# Altium PCB ER100_Driver.PcbDoc (part 1 of 2) (continued)
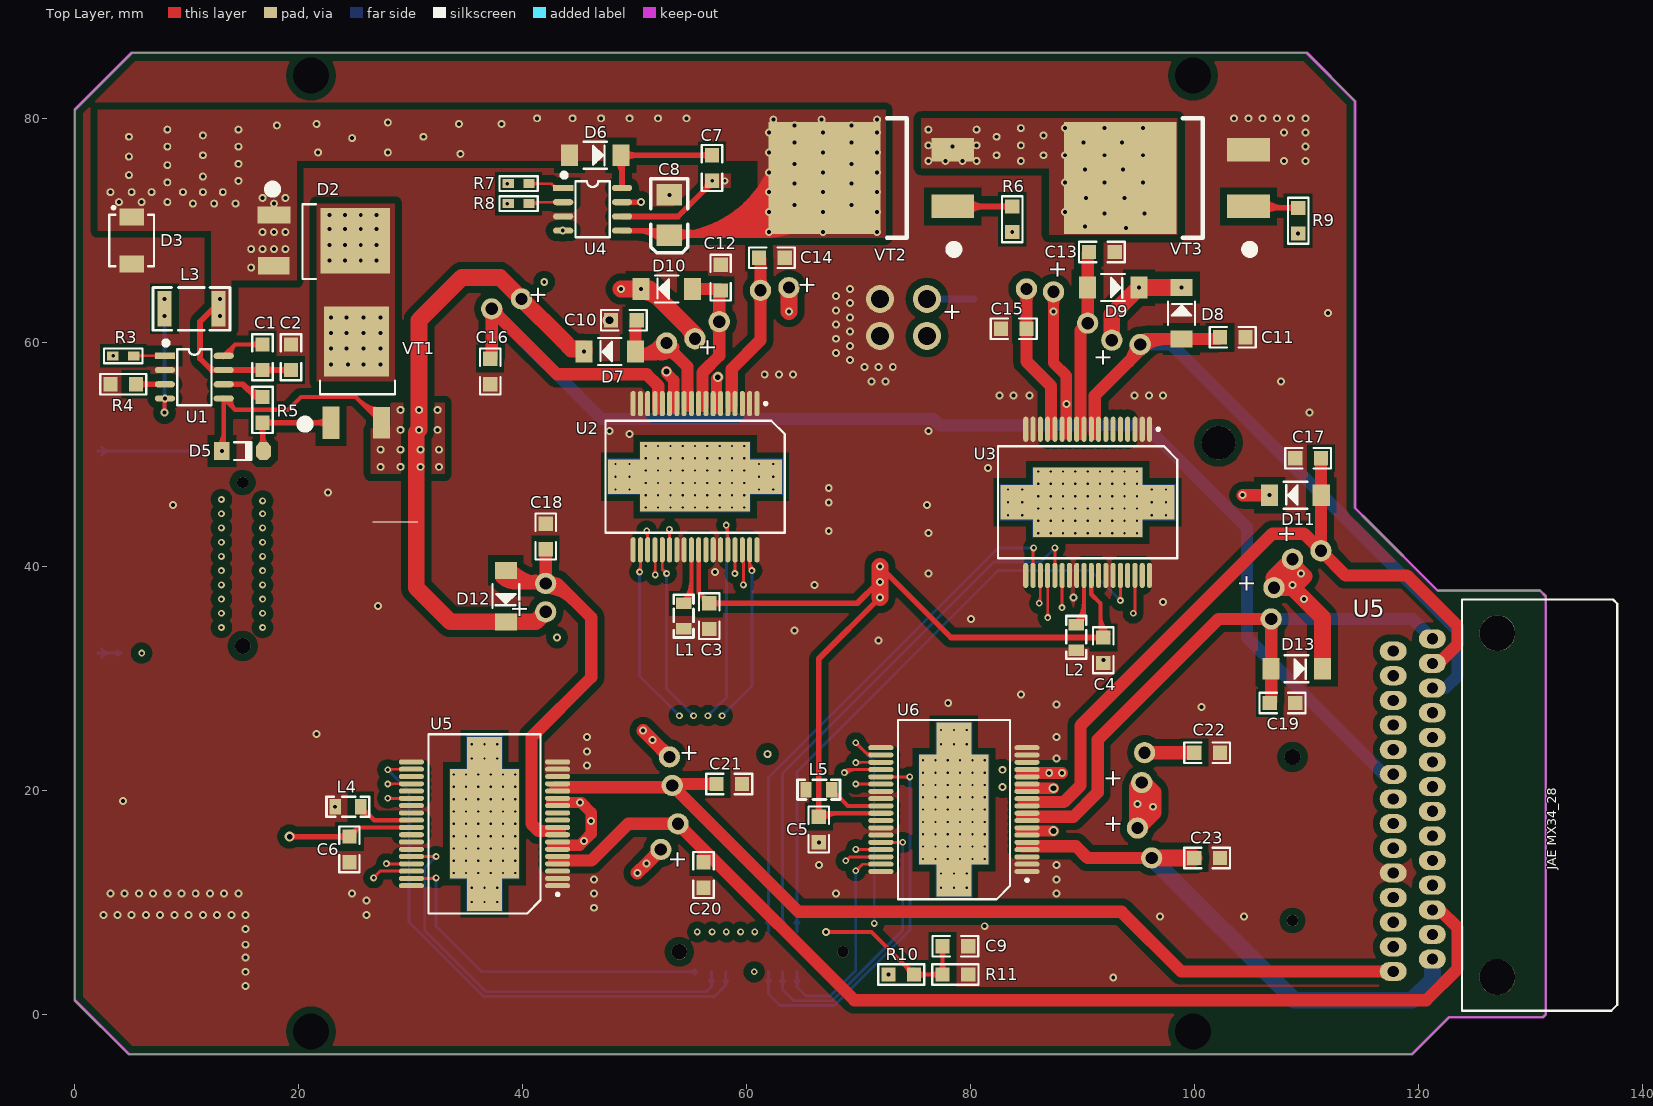
[diagram p0: Top Layer view]
## Footprints (in the part's own frame and the unit in brackets; to place one, negate y for a bottom-side part, rotate by r counter-clockwise, add the part's x,y. Pads: shape width x height; smd on the part's side, far side on the other; paste and mask are expansions set on the pad)
B2B_1.27_Female [mm]
  round 1 hole 1 unplated: 0(0,0)
  round 1.4 hole 1.4 unplated: 0(0,14.605)
  rect 2x0.78 smd: 1(1.778,13.005) 2(1.778,11.735) 3(1.778,10.465) 4(1.778,9.195) 5(1.778,7.925) 6(1.778,6.655) 7(1.778,5.385) 8(1.778,4.115) 9(1.778,2.845) 10(1.778,1.575) 11(-1.778,1.575) 12(-1.778,2.845) 13(-1.778,4.115) 14(-1.778,5.385) 15(-1.778,6.655) 16(-1.778,7.925) 17(-1.778,9.195) 18(-1.778,10.465) 19(-1.778,11.735) 20(-1.778,13.005)
  silkscreen extent -3,-0.64 3,15.88
"C 0805" [mil]
  rect 50x50 smd: 1(-45,0) 2(45,0)
  silkscreen extent -81,-36 81,36, body extent -39,-24 39,24, height 20
"CP 3528B" [mil]
  rect 75x90 smd: 1(-70.86,0) 2(70.87,0)
  silkscreen extent -132,-65 128,65, body extent -69,-55 69,55, height 75
DO-214AA [mm] "Molded Diode, 2-Leads, Body 4.31x3.62mm, IPC Medium Density"
  rect 1.5x2.15 smd: 1(-2.1,0) 2(2.1,0)
  silkscreen extent -2.3,-2 3.07,2, body extent -2.29,-1.97 2.28,1.97, height 2.44
DO-214AC [mm]
  rect 1.524x1.95 smd: 1(-2.312,0) 2(2.288,0)
  silkscreen extent -1.06,-1.2 1.04,1.2, body extent -2.13,-1.2 2.11,1.19, height 3
"L 0805" [mil]
  rect 40x55 smd: 1(-45,0) 2(45,0)
  silkscreen extent -75,-35 75,35, body extent -39,-24 39,24, height 35
"L 1812" [mil]
  rect 50x125 smd: 1(-95,0) 2(95,0)
  silkscreen extent -135,-75 135,75, body extent -89,-63 89,63, height 59
LED_0805 [mil]
  rect 60x50 smd: 1(-50,0)
  oct 60x50 smd: 2(50,0)
  silkscreen extent -90,-35 105,35, body extent -39,-25 39,25, height 32
LL34 [mm]
  rect 1.37x1.62 smd: 1(-1.855,0)
  oct 1.37x1.62 smd: 2(1.855,0)
  silkscreen extent -0.76,-0.8 0.78,0.8, body extent -1.7,-0.75 1.7,0.75, height 1.5
mx34_28 [mm]
  oval 2.4x1.7 hole 1: 1(3.5,-27.5) 2(3.5,-25.3) 3(3.5,-23.1) 4(3.5,-20.9) 5(3.5,-18.7) 6(3.5,-16.5) 7(3.5,-14.3) 8(3.5,-12.1) 9(3.5,-9.9) 10(3.5,-7.7) 11(3.5,-5.5) 12(3.5,-3.3) 13(3.5,-1.1) 14(3.5,1.1) 15(0,-28.6) 16(0,-26.4) 17(0,-24.2) 18(0,-22) 19(0,-19.8) 20(0,-17.6) 21(0,-15.4) 22(0,-13.2) 23(0,-11) 24(0,-8.8) 25(0,-6.6) 26(0,-4.4) 27(0,-2.2) 28(0,0)
  round 3.2 hole 3.2 unplated: 29(-5.8,1.6) 30(-5.8,-29.1)
  silkscreen extent -16.5,-32.1 -2.65,4.6, body extent -22.67,-32.13 3.88,4.57, height 16.3
PowerSO-36 [mm] "SOP, 36-Leads, Body 15.90x11.00mm, Pitch 0.65mm, Thermal Pad 9.80.2x6.20.2mm, IPC Medium Density"
  rect 3.1x3.1 smd: 0(-6.223,0) 0(6.223,0)
  rect 9.8x6.2 smd: 0(0,0)
  oval 0.45x2.25 smd: 1(-5.525,-6.525) 2(-4.875,-6.525) 3(-4.225,-6.525) 4(-3.575,-6.525) 5(-2.925,-6.525) 6(-2.275,-6.525) 7(-1.625,-6.525) 8(-0.975,-6.525) 9(-0.325,-6.525) 10(0.325,-6.525) 11(0.975,-6.525) 12(1.625,-6.525) 13(2.275,-6.525) 14(2.925,-6.525) 15(3.575,-6.525) 16(4.225,-6.525) 17(4.875,-6.525) 18(5.525,-6.525) 19(5.525,6.525) 20(4.875,6.525) 21(4.225,6.525) 22(3.575,6.525) 23(2.925,6.525) 24(2.275,6.525) 25(1.625,6.525) 26(0.975,6.525) 27(0.325,6.525) 28(-0.325,6.525) 29(-0.975,6.525) 30(-1.625,6.525) 31(-2.275,6.525) 32(-2.925,6.525) 33(-3.575,6.525) 34(-4.225,6.525) 35(-4.875,6.525) 36(-5.525,6.525)
  Bottom Layer region: -7.874,-1.651 -4.826,-1.651 -4.826,1.651 -7.874,1.651
  Bottom Layer region: -4.953,-3.175 4.953,-3.175 4.953,3.175 -4.953,3.175
  Bottom Layer region: 4.826,-1.651 7.874,-1.651 7.874,1.651 4.826,1.651
  silkscreen extent -8,-6.65 8,5, body extent -8,-7.03 8,7.03, height 3.6
"R 0603" [mm]
  rect 1.016x0.8 smd: 1(-0.927,0) 2(0.927,0)
  silkscreen extent -1.71,-0.66 1.71,0.66, body extent -0.8,-0.4 0.8,0.4, height 0.4
"R 0805" [mil]
  rect 50x50 smd: 1(-45,0) 2(45,0)
  silkscreen extent -81,-36 81,36, body extent -39,-25 39,25, height 20
SMT_Connector [mil]
  rect 150x190 smd: 1(0,0)
  silkscreen extent -100,-125 100,125
SOP8 [mm]
  rect 1.8x0.55 smd: 1(-2.625,1.905)
  oval 1.8x0.55 smd: 2(-2.625,0.635) 3(-2.625,-0.635) 4(-2.625,-1.905) 5(2.625,-1.905) 6(2.625,-0.635) 7(2.625,0.635) 8(2.625,1.905)
  silkscreen extent -2.69,-2.5 1.52,3.2, body extent -3,-2.5 3,2.5, height 1.9
TO252 [mil]
  rect 60x115 smd: 1(-89.55,-119.77)
  rect 230x245 smd: 2(0,165.35)
  rect 60x110 smd: 3(88.45,-120.77)
  silkscreen extent -196,-140 135,28, body extent -127,-120 129,251, height 91
TO252_DIO [mil]
  rect 60x115 smd: 1(-89.55,-119.77)
  rect 60x110 smd: 1(88.45,-120.77)
  rect 230x245 smd: 2(0,165.35)
  silkscreen extent -196,-140 135,28, body extent -127,-120 129,251, height 91
TO263-3B [mm]
  rect 2.1x3.8 smd: 1(-2.54,-5.725) 3(2.54,-5.725)
  rect 10x10 smd: 2(0,5.725)
  silkscreen extent -6.75,-6.21 5.33,0.14, body extent -5,-5.74 5,9.19, height 4.5

## Part data
C1 C2 C3 C4 C5 C6 C7 C9 C10 C11 C12 C13 C14 C15 C16 C17 C18 C19 C20 C21 C22 C23: library part Cap, "无极性电容"
C8: library part Cap_Pol, "极性电容"
D1 D4: library part LED, "发光二极管"
D2 D6 D7 D8 D9 D10 D11 D12 D13: library part Diode, "二极管"
D3: library part P6SMBXX, "BiDir TVS Diode"
D5: library part Diode_Zener
J1 J2 J3 J4: "表贴接线端"
J5 J6 J7: library part B2B_1.27_Female, "板对板连接器 母头"
L1 L2 L4 L5: "电感"
L3: library part Inductor, "电感"
R1 R2 R3 R4 R5 R6 R7 R8 R9 R10 R11: library part Resistor, "电阻"
U1: "B2B MOSFET Driver"
U2 U3 U5 U6: "4路电磁阀驱动"
U4: "Half-Bridge Gate Driver"
VT1 VT2 VT3: library part PowerMos_N

## Free pads (board coordinates)
  round 0.711 hole 0.356: 0(18.034,79.375) 0(54.61,80.01) 0(88.138,21.56) 1(64.262,79.375) 1(86.995,21.56) 2(69.342,79.375) 3(66.675,79.883) 3(76.2,77.597) 4(62.357,79.883) 4(76.2,76.2) 5(71.628,79.883) 5(77.724,76.2) 6(79.248,76.2) 7(80.518,76.2) 8(80.518,77.597) 9(80.518,78.994) 12(78.359,77.47) 13(76.2,78.994) 14(82.296,78.359) 15(82.296,76.708) 16(84.455,79.121) 17(84.455,77.597) 18(84.455,76.2) 19(86.487,76.708) 20(86.487,78.486) 21(27.305,50.419) 22(29.083,52.197) 23(29.083,53.975) 24(30.734,53.975) 25(32.385,53.975) 26(30.734,52.197) 27(32.385,52.197) 28(29.083,50.419) 29(30.861,50.419) 30(32.512,50.419) 30(46.99,80.01) 31(32.512,48.895) 31(49.53,80.01) 32(30.861,48.895) 32(52.07,80.01) 33(29.083,48.895) 34(27.305,48.895) 42(61.849,23.241) 43(44.45,80.01) 49(16.764,69.85) 50(18.796,69.85) 51(17.78,68.326) 52(16.764,68.326) 53(18.796,68.326) 54(16.764,72.898) 55(17.78,72.39) 56(18.796,72.898) 57(17.78,69.85) 59(15.748,66.675) 60(15.748,68.326) 61(8.255,78.994) 62(8.255,74.295) 63(8.255,75.819) 64(8.255,77.47) 65(14.605,74.422) 66(14.605,75.946) 67(14.605,77.47) 68(14.605,78.994) 69(11.43,73.406) 70(13.208,73.406) 71(9.652,73.406) 72(6.858,73.406) 73(5.08,73.406) 74(3.175,73.406) 75(3.937,72.517) 76(5.969,72.517) 77(8.255,72.517) 78(10.541,72.39) 79(12.446,72.39) 80(14.351,72.39) 81(21.59,79.502) 82(21.717,76.962) 83(24.765,78.232) 84(27.94,79.629) 85(27.94,76.962) 86(31.115,78.359) 87(34.29,79.502) 88(34.417,76.835) 89(38.1,79.502) 90(41.275,80.01) 91(11.43,78.486) 92(11.43,76.708) 93(4.826,78.359) 94(4.826,76.581) 95(4.826,74.93) 96(11.43,74.803) 105(22.733,71.374) 106(24.13,71.374) 107(25.527,71.374) 108(26.924,71.374) 109(22.733,70.104) 110(24.13,70.104) 111(25.527,70.104) 112(26.924,70.104) 113(22.733,68.707) 114(24.13,68.707) 115(25.527,68.707) 116(26.924,68.707) 117(22.733,67.31) 118(24.13,67.31) 119(25.527,67.31) 120(26.924,67.31) 121(22.86,62.23) 122(24.257,62.23) 123(25.781,62.23) 124(27.305,62.23) 125(22.86,60.833) 126(24.257,60.833) 127(25.781,60.833) 128(27.305,60.833) 129(22.86,59.436) 130(24.257,59.436) 131(25.781,59.436) 132(27.305,59.436) 133(27.305,58.039) 134(25.781,58.039) 135(24.384,58.039) 136(22.86,58.039)
  round 3 hole 3 unplated: 0(102.108,51.054)
  round 1.9 hole 1.1: 1(37.211,62.992) 2(39.878,63.881) 3(42.037,35.941) 4(42.037,38.481) 5(52.324,14.732) 6(53.848,17.018) 7(53.34,20.447) 8(53.086,22.987) 9(63.754,64.897) 10(61.214,64.643) 11(57.531,61.849) 12(55.372,60.325) 13(52.832,59.944) 14(84.963,64.77) 15(87.376,64.516) 16(90.424,61.722) 17(92.583,60.198) 18(95.123,59.817) 19(94.869,16.637) 20(96.139,13.97) 21(95.25,20.701) 22(95.504,23.368) 23(106.807,35.306) 24(107.061,38.1) 25(108.712,40.64) 26(111.252,41.402)
  round 2.5 hole 1.6: 27(71.882,60.579) 28(71.882,63.881) 29(76.073,60.579) 30(76.073,63.881)
  round 1.524 hole 3.2: 137(21.082,-1.524) 137(21.082,83.82) 137(99.822,-1.524) 137(99.822,83.82)

## Via types
v1: diameter 0.5, hole 0.2, Top Layer to Bottom Layer, 264 vias
v2: diameter 0.711, hole 0.356, Top Layer to Bottom Layer, 203 vias
v3: diameter 0.61, hole 0.305, Top Layer to Bottom Layer, 69 vias
v4: diameter 0.889, hole 0.508, Top Layer to Bottom Layer, 5 vias
v5: diameter 1.27, hole 0.711, Top Layer to Bottom Layer, 1 vias

## Nets (pads, with @x,y where several pads share a name; then routed paths per layer and width w, separated by ;. In a path a pad name is that pad's centre, name@x,y a point inside that pad or via, vN(x,y) a via of type N, cw(c..) or ccw(c..) an arc to the next point about the centre after c; other vN are vias at no path point)
CTGND_1: L1.1 U2.27 | length 8.9
  Top Layer w0.381: L1.1@54.322,36.928 ccw(c52.572,38.678) 55.047,38.678 ; L1.1@54.356,36.703 55.047,37.394 ; L1.1@54.591,36.658 ccw(c53.491,37.758) 55.047,37.758 ; L1.1@54.858,36.766 cw(c55.537,36.904) 55.047,37.394 ; U2.27@55.047,41.481 55.047,37.394
CTGND_2: L2.1 U3.27 | length 8.5
  Top Layer w0.381: L2.1@89.374,35.023 ccw(c87.624,36.773) 90.099,36.773 ; L2.1@89.408,34.798 90.099,35.489 ; L2.1@89.643,34.753 ccw(c88.543,35.853) 90.099,35.853 ; L2.1@89.91,34.861 cw(c90.589,34.999) 90.099,35.489 ; U3.27@90.099,39.195 90.099,35.489
CTGND_3: L4.1 U5.27@30.051,17.343 | length 6
  Top Layer w0.381: L4.1@25.527,18.034 cw(c25.527,16.808) 26.394,17.675 ; L4.1@25.527,18.542 26.726,17.343 U5.27@30.051,17.343
CTGND_4: L5.1 U6.27 | length 6
  Top Layer w0.381: L5.1@67.564,19.558 cw(c67.564,18.332) 68.431,19.199 ; L5.1@67.564,20.066 69.017,18.613 U6.27@71.961,18.613
DRI1_ENA: J5.9 U2.24 | length 41.1
  Top Layer w0.254: v3@52.96,43.181 cw(c52.63,42.851) 53.097,42.851 ; U2.24@53.028,42.45 ccw(c52.86,42.618) 53.097,42.618 ccw(c53.334,42.618) U2.24@53.166,42.45 ; v3(53.086,43.307) 53.097,43.296 U2.24@53.097,41.481 ; 53.097,42.904 cw(c53.489,42.904) v3@53.212,43.181
  MidLayer2 w0.254: v3@16.764,44.526 cw(c16.764,44.097) 17.068,44.4 cw(c17.371,44.704) v3@16.942,44.704 ; v3(16.764,44.704) 17.399,44.069 52.324,44.069 v3(53.086,43.307) ; v3@52.908,43.307 ccw(c52.479,43.307) 52.782,43.611 ccw(c53.086,43.914) v3@53.086,43.485
DRI2_ENA: J5.2 U3.24 | length 82.5
  Top Layer w0.254: v3@88.012,36.448 ccw(c87.682,36.778) 88.149,36.778 ; U3.24@88.08,38.226 cw(c87.912,38.058) 88.149,38.058 cw(c88.386,38.058) U3.24@88.218,38.226 ; v3@88.149,36.333 U3.24@88.149,39.195 ; 88.149,36.725 ccw(c88.541,36.725) v3@88.264,36.448
  MidLayer2 w0.254: v3(16.764,35.814) 21.082,31.496 21.741,31.496 22.529,30.709 82.754,30.709 83.542,31.496 86.868,31.496 88.138,32.766 v3(88.138,36.322) ; v3@88.012,36.196 cw(c87.709,35.893) 88.138,35.893 cw(c88.567,35.893) v3@88.264,36.196
DRI3_ENA: J5.14 U5.24@30.051,19.293 | length 41.2
  Top Layer w0.254: v3@27.951,19.293 U5.24@30.051,19.293 ; v3@28.066,19.178 cw(c28.343,18.901) 28.343,19.293 ; v3@28.066,19.43 ccw(c28.396,19.76) 28.396,19.293 ; U5.24@29.082,19.224 ccw(c28.914,19.056) 28.914,19.293 ccw(c28.914,19.53) U5.24@29.082,19.362
  MidLayer2 w0.254: v3@12.903,42.164 cw(c12.474,42.164) 12.777,41.86 cw(c13.081,41.557) v3@13.081,41.986 ; v3(13.081,42.164) 9.398,38.481 9.398,29.967 20.061,19.304 v3(27.94,19.304) ; v3@27.814,19.178 ccw(c27.511,18.875) 27.511,19.304 ccw(c27.511,19.733) v3@27.814,19.43
DRI4_ENA: J5.18 U6.24 | length 74.6
  Top Layer w0.254: v3(69.723,20.574) 69.734,20.563 U6.24@71.961,20.563 ; v3@69.849,20.448 cw(c70.126,20.171) 70.126,20.563 ; v3@69.849,20.7 ccw(c70.179,21.03) 70.179,20.563 ; U6.24@70.992,20.494 ccw(c70.824,20.326) 70.824,20.563 ccw(c70.824,20.8) U6.24@70.992,20.632
  MidLayer2 w0.254: v3@12.903,37.084 cw(c12.474,37.084) 12.777,36.78 cw(c13.081,36.477) v3@13.081,36.906 ; v3(13.081,37.084) 11.125,35.128 11.125,30.682 12.826,28.981 60.046,28.981 68.453,20.574 v3(69.723,20.574) ; v3@69.597,20.448 ccw(c69.294,20.145) 69.294,20.574 ccw(c69.294,21.003) v3@69.597,20.7
L_STB1: C10.1 D7.1 pad.13@52.832,59.944 U2.10 U2.11 U5.5@117.7,23.636 | length 103.2
  Top Layer w1.1: C10.1@50.165,61.976 50.064,61.875 D7.1@50.064,59.182 D7.1@50.318,58.928 ; 52.271,58.928 ccw(c52.271,60.284) pad.13@53.431,59.581 ; pad.13@52.432,59.944 cw(c51.466,59.944) 52.149,59.261 cw(c52.832,58.578) pad.13@52.832,59.544 ; pad.13@52.49,60.151 cw(c50.318,61.467) D7.1@50.318,58.928 ; pad.13@53.232,59.944 ccw(c54.811,59.944) 53.694,58.828 ; 54.7,54.356 54.7,57.822 52.832,59.69 pad.13@52.832,59.944 51.816,58.928 D7.1@50.318,58.928
  MidLayer1 w1.1: pad.13@52.832,59.944 52.832,59.556 58.286,54.102 59.9,54.102 65.532,48.47 65.532,42.029 81.399,26.162 112.268,26.162 114.794,23.636 U5.5@117.7,23.636
L_STB2: C12.1 D10.1 pad.11 U2.8 U2.9 U5.4@117.7,25.836 | length 95.4
  Top Layer w1.1: D10.1@55.144,64.77 57.531,64.77 C12.1@57.658,64.643 57.531,64.516 pad.11@57.531,61.849 57.531,58.801 56.044,57.314 56.044,54.356 ; pad.11@57.248,61.566 cw(c56.565,60.883) 57.531,60.883 cw(c58.497,60.883) pad.11@57.814,61.566 ; pad.11@57.248,62.132 ccw(c56.565,62.815) 57.531,62.815 ccw(c58.497,62.815) pad.11@57.814,62.132
  MidLayer1 w1.1: pad.11@57.531,61.849 57.531,59.682 74.676,42.537 74.676,38.354 82.804,30.226 111.252,30.226 115.642,25.836 U5.4@117.7,25.836
L_TC: C18.1 D12.1 pad.4@42.037,38.481 U5.8@43.101,16.043 U5.9@43.101,16.693 U5.13@117.7,6.036 | length 172.8
  Top Layer w1.1: D12.1@38.066,39.022 ccw(c39.373,40.329) 39.373,38.481 ; D12.1@38.481,39.65 39.65,38.481 pad.4@42.037,38.481 ; D12.1@38.844,39.8 ccw(c42.028,42.985) pad.4@42.028,38.481 ; D12.1@38.906,39.65 ccw(c39.932,39.65) D12.1@39.207,38.925 ; 41.098,38.73 ccw(c41.35,39.67) pad.4@41.837,38.827 ; 41.109,38.727 cw(c40.861,37.802) pad.4@41.691,38.281 ; pad.4@41.754,38.198 ccw(c41.071,37.515) 41.071,38.481 ccw(c41.071,39.447) 41.754,38.764 ccw(c41.071,39.447) 42.037,39.447 ccw(c43.003,39.447) 42.32,38.764 ccw(c43.003,39.447) 43.003,38.481 ccw(c43.003,37.515) pad.4@42.32,38.198 ; pad.4@42.037,38.081 cw(c42.037,34.662) 44.454,37.08 ; C18.1@42.037,41.529 pad.4@42.037,38.481 ; 43.307,16.383 41.402,16.383 40.767,17.018 40.767,24.765 46.101,30.099 46.101,35.433 43.053,38.481 pad.4@42.037,38.481
  MidLayer1 w1.1: pad.4@42.037,38.481 49.022,31.496 49.022,8.522 55.258,2.286 87.503,2.286 91.253,6.036 ; 107.95,6.036 91.253,6.036 ; U5.13@117.7,6.036 91.253,6.036
LB_INP: C22.1 pad.0@88.138,21.56 pad.1@86.995,21.56 pad.22@95.504,23.368 U5.27@121.2,7.136 U6.14 U6.15 | length 60.8
  Top Layer w1.1: 84.582,21.56 pad.1@86.995,21.56 pad.0@88.138,21.56
  Top Layer w1.2: pad.22@95.504,23.368 C22.1@99.949,23.368
  MidLayer2 w1.2: pad.1@86.995,21.56 pad.0@88.138,21.56 90.394,21.56 92.202,23.368 pad.22@95.504,23.368 95.533,23.368 109.99,8.911 109.99,8.894 117.36,1.524 121.825,1.524 123.698,3.397 123.698,5.842 122.404,7.136 U5.27@121.2,7.136
LB_OUP: C15.2 pad.14@84.963,64.77 U3.14 U3.15 U5.2@117.7,30.236 | length 69.9
  Top Layer w1.1: pad.14@84.68,64.487 cw(c83.997,63.804) 84.963,63.804 cw(c85.929,63.804) pad.14@85.246,64.487 ; pad.14@84.963,64.77 C15.2@84.963,61.214 84.963,58.293 87.152,56.104 87.152,51.816
  MidLayer2 w1.1: pad.14@84.963,64.77 84.963,63.119 100.838,47.244 100.838,36.068 106.67,30.236 U5.2@117.7,30.236
LBI_PWM: J5.19 U6.22 | length 73.9
  Top Layer w0.254: v3@68.653,21.644 cw(c69.182,21.115) 69.182,21.863 ; v3(68.707,21.59) 68.98,21.863 ; v3@68.721,21.767 ccw(c68.746,22.096) 68.98,21.863 ; v3@68.833,21.464 cw(c69.795,20.502) 69.795,21.863 ; v3@68.884,21.604 cw(c69.213,21.629) 68.98,21.863 ; U6.22@70.992,21.794 ccw(c70.824,21.626) 70.824,21.863 ccw(c70.824,22.1) U6.22@70.992,21.932 ; U6.22@71.961,21.863 68.98,21.863
  MidLayer2 w0.254: v3@12.903,35.814 cw(c12.474,35.814) 12.777,35.51 cw(c13.081,35.207) v3@13.081,35.636 ; v3(13.081,35.814) 11.557,34.29 11.557,30.861 13.005,29.413 60.884,29.413 v3(68.707,21.59) ; v3@68.529,21.59 ccw(c68.1,21.59) 68.403,21.894 ccw(c68.707,22.197) v3@68.707,21.768
LBI_STA: J6.5 U6.20 | length 36.2
  Top Layer w0.254: v3@69.723,24.079 cw(c69.723,23.65) 70.027,23.953 cw(c70.33,24.257) v3@69.901,24.257 ; v3(69.723,24.257) 70.817,23.163 U6.20@71.961,23.163 ; 70.477,23.503 ccw(c71.061,24.087) U6.20@71.061,23.261 ; U6.20@70.992,23.094 ccw(c70.824,22.926) 70.824,23.163 ccw(c70.824,23.4) U6.20@70.992,23.232
  MidLayer2 w0.254: v3(60.655,3.81) 68.961,3.81 71.374,6.223 v3(71.374,8.128) ; v3@60.781,3.684 cw(c61.084,3.381) 61.084,3.81 cw(c61.084,4.239) v3@60.781,3.936
  Bottom Layer w0.254: v3@69.723,24.079 cw(c69.723,23.65) 70.027,23.953 cw(c70.33,24.257) v3@69.901,24.257 ; v3(69.723,24.257) 71.374,22.606 v3(71.374,8.128)
LBO_PWM: J5.3 U3.22 | length 79
  Top Layer w0.254: v3@86.742,35.559 ccw(c86.439,35.862) 86.868,35.862 ccw(c87.297,35.862) v3@86.994,35.559 ; U3.22@86.78,38.226 cw(c86.567,38.013) 86.868,38.013 ; U3.22@86.849,39.195 86.868,39.176 v3(86.868,35.433)
  MidLayer2 w0.254: v3(16.764,37.084) 21.59,32.258 22.249,32.258 23.367,31.14 81.154,31.14 82.272,32.258 83.693,32.258 v3(86.868,35.433)
LBO_STA: J6.15 U3.20 | length 49.4
  Top Layer w0.254: U3.20@85.549,39.195 85.549,41.607 v3(85.598,41.656)
  Bottom Layer w0.254: J6.15@61.739,8.162 ccw(c61.29,8.611) 61.925,8.611 ccw(c62.56,8.611) J6.15@62.111,8.162 ; J6.15@61.925,7.366 61.925,21.158 82.423,41.656 v3(85.598,41.656)
LF_INP: C20.1 pad.6@53.848,17.018 U5.4@43.101,13.443 U5.5@43.101,14.093 U5.26@121.2,9.336 | length 97.3
  Top Layer w1.1: 42.799,13.746 46.131,13.746 49.403,17.018 pad.6@53.848,17.018 56.134,14.732 ; C20.1@56.134,13.718 56.134,14.732 ; U5.26@121.855,9.336 123.444,7.747 123.444,4.064 120.65,1.27 69.596,1.27 56.134,14.732
  MidLayer1 w1.1: U5.26@121.2,9.336 U5.26@121.855,9.336
LF_OUP: C16.1 pad.1@37.211,62.992 U2.14 U2.15 U5.6@117.7,21.436 | length 130.7
  Top Layer w1.1: pad.1@36.928,62.709 cw(c36.245,62.026) 37.211,62.026 cw(c38.177,62.026) pad.1@37.494,62.709 ; C16.1@37.084,58.547 37.211,58.674 pad.1@37.211,62.992 43.053,57.15 51.054,57.15 52.1,56.104 52.1,54.102 ; pad.1@37.211,62.592 cw(c37.211,61.626) 37.894,62.309 cw(c38.577,62.992) pad.1@37.611,62.992
  Bottom Layer w1.1: pad.1@37.211,62.992 47.05,53.153 76.649,53.153 77.224,52.578 95.548,52.578 104.648,43.478 104.648,33.655 116.867,21.436 U5.6@117.7,21.436
LFI_PWM: J5.13 U5.33 | length 45.6
  Top Layer w0.254: v3(27.813,13.462) 27.832,13.443 U5.33@30.051,13.443 ; v3@27.939,13.336 cw(c28.196,13.079) 28.196,13.443 ; v3@27.939,13.588 ccw(c28.288,13.937) 28.288,13.443 ; U5.33@29.082,13.374 ccw(c28.914,13.206) 28.914,13.443 ccw(c28.914,13.68) U5.33@29.082,13.512
  MidLayer2 w0.254: v3@12.903,43.434 cw(c12.474,43.434) 12.777,43.13 cw(c13.081,42.827) v3@13.081,43.256 ; v3(13.081,43.434) 8.966,39.319 8.966,29.788 25.292,13.462 v3(27.813,13.462) ; v3@27.687,13.336 ccw(c27.384,13.033) 27.384,13.462 ccw(c27.384,13.891) v3@27.687,13.588
LFI_STA: J6.1 U5.35 | length 34.3
  Top Layer w0.254: U5.35@30.051,12.143 32.209,12.143 v3(32.258,12.192) ; U5.35@31.02,12.074 cw(c31.188,11.906) 31.188,12.143 cw(c31.188,12.38) U5.35@31.02,12.212 ; 31.71,12.143 ccw(c31.71,12.74) v3@32.132,12.318 ; 31.947,12.143 cw(c31.947,11.881) v3@32.132,12.066
  Bottom Layer w0.254: v3@32.132,12.066 cw(c31.829,11.763) 32.258,11.763 cw(c32.687,11.763) v3@32.384,12.066 ; v3(32.258,12.192) 32.258,7.874 36.322,3.81 J6.1@55.575,3.81 ; J6.1@55.389,3.624 ccw(c54.94,3.175) 54.94,3.81 ccw(c54.94,4.445) J6.1@55.389,3.996
LFO_PWM: J5.6 U2.22 | length 40.9
  Top Layer w0.254: v3@51.69,39.369 ccw(c51.387,39.672) 51.816,39.672 ccw(c52.245,39.672) v3@51.942,39.369 ; U2.22@51.728,40.512 cw(c51.515,40.299) 51.816,40.299 ; U2.22@51.797,41.481 51.816,41.462 v3(51.816,39.243)
  MidLayer2 w0.254: v3(16.764,40.894) 17.526,41.656 49.403,41.656 v3(51.816,39.243) ; v3@16.764,41.072 ccw(c16.764,41.501) 17.068,41.198 ccw(c17.371,40.894) v3@16.942,40.894 ; v3@51.638,39.243 ccw(c51.209,39.243) 51.512,39.547 ccw(c51.816,39.85) v3@51.816,39.421
LFO_STA: J6.19 U2.20 | length 40.4
  Top Layer w0.254: v3@50.293,39.623 ccw(c49.801,40.115) 50.497,40.115 ; v3(50.419,39.497) 50.497,39.575 U2.20@50.497,41.481 ; U2.20@50.428,40.512 cw(c50.26,40.344) 50.497,40.344 cw(c50.734,40.344) U2.20@50.566,40.512
  MidLayer2 w0.254: v3@53.975,26.492 cw(c53.975,26.063) 54.279,26.366 cw(c54.582,26.67) v3@54.153,26.67 ; v3(53.975,26.67) 56.896,23.749 v3(56.896,7.366) ; v3@56.77,7.492 ccw(c56.467,7.795) 56.896,7.795 ccw(c57.325,7.795) v3@57.022,7.492
  Bottom Layer w0.254: v3@50.293,39.371 cw(c49.99,39.068) 50.419,39.068 cw(c50.848,39.068) v3@50.545,39.371 ; v3(50.419,39.497) 50.419,30.226 v3(53.975,26.67) ; v3@53.797,26.67 ccw(c53.368,26.67) 53.671,26.974 ccw(c53.975,27.277) v3@53.975,26.848
LSTB1_PWM: J5.8 U2.21 | length 39.3
  Top Layer w0.254: v3@50.928,43.054 cw(c50.4,42.526) U2.21@51.147,42.526 ; v3(51.054,43.18) 51.147,43.087 U2.21@51.147,41.481 ; U2.21@51.078,42.45 ccw(c50.91,42.618) 51.147,42.618 ccw(c51.384,42.618) U2.21@51.216,42.45
  MidLayer2 w0.254: v3(16.764,43.434) 50.8,43.434 v3(51.054,43.18) ; v3@16.89,43.308 cw(c17.193,43.005) 17.193,43.434 cw(c17.193,43.863) v3@16.89,43.56 ; 50.012,43.434 cw(c50.012,42.138) v3@50.928,43.054 ; 50.625,43.434 cw(c50.625,42.751) v3@51.108,43.234
LSTB1_STA: J6.18 U2.23 | length 40.2
  Top Layer w0.254: U2.23@52.378,40.512 cw(c52.201,40.335) 52.451,40.335 ; U2.23@52.447,41.481 52.451,41.477 52.451,39.751 v3(52.832,39.37) ; 52.451,40.354 cw(c52.674,40.354) U2.23@52.516,40.512 ; v3@52.654,39.37 ccw(c52.225,39.37) 52.528,39.674 ccw(c52.832,39.977) v3@52.832,39.548
  MidLayer2 w0.254: v3@55.245,26.492 cw(c55.245,26.063) 55.549,26.366 cw(c55.852,26.67) v3@55.423,26.67 ; v3(55.245,26.67) 58.166,23.749 v3(58.166,7.366) ; v3@58.04,7.492 ccw(c57.737,7.795) 58.166,7.795 ccw(c58.595,7.795) v3@58.292,7.492
  Bottom Layer w0.254: v3@52.706,39.244 cw(c52.403,38.941) 52.832,38.941 cw(c53.261,38.941) v3@52.958,39.244 ; v3(52.832,39.37) 52.832,29.083 v3(55.245,26.67) ; v3@55.067,26.67 ccw(c54.638,26.67) 54.941,26.974 ccw(c55.245,27.277) v3@55.245,26.848
LSTB2_PWM: J5.5 U2.34 | length 50.4
  Top Layer w0.254: U2.34@59.528,40.512 cw(c59.136,40.12) 59.69,40.12 ; v3@59.564,38.48 ccw(c59.261,38.783) 59.69,38.783 ccw(c60.119,38.783) v3@59.816,38.48 ; U2.34@59.597,41.481 59.69,41.388 v3(59.69,38.354)
  MidLayer2 w0.254: v3(16.764,39.624) 18.364,41.224 47.371,41.224 50.241,38.354 v3(59.69,38.354) ; v3@16.764,39.802 ccw(c16.764,40.231) 17.068,39.928 ccw(c17.371,39.624) v3@16.942,39.624 ; v3@59.564,38.228 ccw(c59.261,37.925) 59.261,38.354 ccw(c59.261,38.783) v3@59.564,38.48
LSTB2_STA: J6.17 U2.32 | length 44.2
  Top Layer w0.254: v3@58.04,43.562 cw(c57.42,42.942) 58.297,42.942 ; v3(58.166,43.688) 58.297,43.557 U2.32@58.297,41.481 ; U2.32@58.228,42.45 ccw(c58.06,42.618) 58.297,42.618 ccw(c58.534,42.618) U2.32@58.366,42.45
  MidLayer2 w0.254: v3@56.515,26.492 cw(c56.515,26.063) 56.819,26.366 cw(c57.122,26.67) v3@56.693,26.67 ; v3(56.515,26.67) 59.436,23.749 v3(59.436,7.366) ; v3@59.31,7.492 ccw(c59.007,7.795) 59.436,7.795 ccw(c59.865,7.795) v3@59.562,7.492
  Bottom Layer w0.254: v3(56.515,26.67) 58.166,28.321 v3(58.166,43.688) ; v3@56.515,26.848 ccw(c56.515,27.277) 56.819,26.974 ccw(c57.122,26.67) v3@56.693,26.67 ; v3@58.04,43.562 cw(c57.737,43.259) 58.166,43.259 cw(c58.595,43.259) v3@58.292,43.562
LTC_PWM: J5.12 U5.34 | length 48.4
  Top Layer w0.254: v3(26.67,12.192) 27.271,12.793 U5.34@30.051,12.793 ; v3@26.67,12.37 ccw(c26.67,12.799) 26.974,12.496 ccw(c27.277,12.192) v3@26.848,12.192 ; U5.34@29.082,12.724 ccw(c28.914,12.556) 28.914,12.793 ccw(c28.914,13.03) U5.34@29.082,12.862
  MidLayer2 w0.254: v3@12.903,44.704 cw(c12.474,44.704) 12.777,44.4 cw(c13.081,44.097) v3@13.081,44.526 ; v3(13.081,44.704) 8.534,40.157 8.534,29.609 25.951,12.192 v3(26.67,12.192) ; v3@26.544,12.066 ccw(c26.241,11.763) 26.241,12.192 ccw(c26.241,12.621) v3@26.544,12.318
LTC_STA: J6.2 U5.32 | length 41.3
  Top Layer w0.254: U5.32@30.051,14.093 32.254,14.093 v3(32.258,14.097) ; U5.32@31.02,14.024 cw(c31.188,13.856) 31.188,14.093 cw(c31.188,14.33) U5.32@31.02,14.162 ; 31.819,14.093 ccw(c31.819,14.536) v3@32.132,14.223 ; 31.838,14.093 cw(c31.838,13.677) v3@32.132,13.971
  Bottom Layer w0.254: v3@32.08,14.097 cw(c31.651,14.097) 31.954,13.793 cw(c32.258,13.49) v3@32.258,13.919 ; v3(32.258,14.097) 31.242,13.081 31.242,7.493 36.703,2.032 56.388,2.032 56.845,2.489 J6.2@56.845,3.81 ; J6.2@56.659,3.014 cw(c56.21,2.565) 56.845,2.565 cw(c57.48,2.565) J6.2@57.031,3.014
MOTOR+: C7.2 pad.3@76.2,77.597 pad.4@76.2,76.2 pad.5@77.724,76.2 pad.6@79.248,76.2 pad.7@80.518,76.2 pad.8@80.518,77.597 pad.9@80.518,78.994 pad.12@78.359,77.47 pad.13@76.2,78.994 pad.14@82.296,78.359 pad.15@82.296,76.708 pad.16@84.455,79.121 pad.17@84.455,77.597 pad.18@84.455,76.2 pad.19@86.487,76.708 pad.20@86.487,78.486 pad.29@76.073,60.579 pad.30@76.073,63.881 U4.6 U5.1@117.7,32.436 VT2.3 VT3.2 | length 112.7
  Top Layer w0.508: U4.6@48.853,71.247 53.865,71.247 56.896,74.278 v3(56.896,74.422) ; 56.144,73.526 ccw(c55.248,74.422) C7.2@56.515,74.422 ; C7.2@56.491,73.873 cw(c56.896,73.469) C7.2@56.896,74.041 ; C7.2@56.707,74.089 ccw(c56.375,74.422) C7.2@56.845,74.422
  MidLayer1 w0.635: v3(56.896,74.422) v3(58.039,74.422) 59.055,75.438 59.055,79.629 60.452,81.026 76.454,81.026 78.359,79.121 pad.12@78.359,77.47 ; pad.30@76.073,63.881 pad.30@76.962,63.881
  MidLayer1 w1.524: pad.30@76.962,63.881 79.756,66.675 102.489,66.675 113.142,56.022 113.142,36.994 U5.1@117.7,32.436
  Bottom Layer w0.635: pad.30@76.073,63.881 80.264,63.881
  other v2: 93.853,70.231 90.17,70.358 91.948,71.501 95.504,71.501 88.392,71.628 90.297,72.898 93.726,72.898 88.392,74.295 91.948,74.295 95.377,74.295 90.17,75.438 93.599,75.438 88.392,76.708 91.948,76.708 95.377,76.708 90.043,77.851 93.472,77.851 88.392,79.121 91.948,79.121 95.377,79.121
NetC1_1: C1.1 U1.8 | length 8
  Top Layer w0.381: U1.8@13.252,58.674 cw(c13.389,58.7) U1.8@13.291,58.799 ; U1.8@13.293,58.801 14.309,59.817 ; U1.8@13.627,58.746 cw(c14.245,58.863) 13.8,59.308 ; U1.8@14.001,58.817 cw(c15.1,59.026) 14.309,59.817 ; C1.1@16.45,59.503 ccw(c15.691,58.744) 15.691,59.817 ccw(c15.691,60.89) C1.1@16.45,60.131 ; C1.1@16.764,59.817 14.309,59.817
  Top Layer w0.508: U1.8@13.293,58.801 U1.8@13.843,58.801
NetC7_1: C7.1 D6.2 U4.8 | length 16.4
  Top Layer w0.508: D6.2@48.411,76.136 cw(c47.343,75.068) 48.853,75.068 ; U4.8@48.853,73.787 48.853,76.625 D6.2@48.77,76.708 C7.1@56.896,76.708 ; 48.853,75.469 cw(c49.795,75.469) D6.2@49.129,76.136 ; D6.2@49.129,76.349 cw(c49.996,75.482) 49.996,76.708 cw(c49.996,77.934) D6.2@49.129,77.067 ; C7.1@56.627,76.439 ccw(c55.976,75.788) 55.976,76.708 ccw(c55.976,77.628) C7.1@56.627,76.977
NetC9_2: C9.2 J6.11 R10.1 R11.1 | length 23.6
  Top Layer w0.381: v2(67.056,7.366) 71.12,7.366 R10.1@74.93,3.556 R11.1@77.47,3.556 C9.2@77.47,6.096 ; v2@67.173,7.249 cw(c67.455,6.967) 67.455,7.366 cw(c67.455,7.765) v2@67.173,7.483 ; R10.1@74.486,3.556 ccw(c73.412,3.556) 74.171,4.315 ccw(c74.93,5.074) R10.1@74.93,4 ; R10.1@75.244,3.242 cw(c76.003,2.483) 76.003,3.556 cw(c76.003,4.629) R10.1@75.244,3.87 ; R11.1@77.156,3.242 ccw(c76.397,2.483) 76.397,3.556 ccw(c76.397,4.629) 77.156,3.87 ccw(c76.397,4.629) 77.47,4.629 ccw(c78.543,4.629) R11.1@77.784,3.87 ; C9.2@77.156,5.782 cw(c76.397,5.023) 77.47,5.023 cw(c78.543,5.023) C9.2@77.784,5.782
NetD1_1: D1.1 R1.2 | length 12.2
  Bottom Layer w0.254: D1.1@2.032,50.292 R1.2@11.265,50.292 ; D1.1@2.391,49.933 cw(c3.259,49.065) 3.259,50.292 cw(c3.258,51.518) D1.1@2.391,50.651 ; R1.2@10.964,50.099 ccw(c10.498,49.633) 10.498,50.292 ccw(c10.498,50.951) R1.2@10.964,50.485
NetD2_2: D2.2 pad.105 pad.106 pad.107 pad.108 pad.109 pad.110 pad.111 pad.112 pad.113 pad.114 pad.115 pad.116 pad.117 pad.118 pad.119 pad.120 pad.121 pad.122 pad.123 pad.124 pad.125 pad.126 pad.127 pad.128 pad.129 pad.130 pad.131 pad.132 pad.133 pad.134 pad.135 pad.136 VT1.2
NetD4_1: D4.1 R2.1 | length 5.1
  Bottom Layer w0.254: D4.1@2.032,32.258 R2.1@4.153,32.258 ; D4.1@2.391,31.899 cw(c3.258,31.032) 3.258,32.258 cw(c3.259,33.485) D4.1@2.391,32.617 ; R2.1@3.852,32.065 ccw(c3.386,31.599) 3.386,32.258 ccw(c3.386,32.917) R2.1@3.852,32.451
NetD5_2: D5.2 R5.2 VT1.1 | length 15.1
  Top Layer w0.508: R5.2@16.495,52.563 cw(c15.844,51.912) 16.764,51.912 cw(c17.684,51.912) 17.033,52.563 cw(c17.698,51.898) 17.698,52.838 ; D5.2@16.536,50.722 ccw(c15.986,51.272) 16.764,51.272 ; 16.764,51.643 ccw(c18.067,51.643) D5.2@17.146,50.722 ; D5.2@16.841,50.292 16.764,50.369 R5.2@16.764,52.832 16.77,52.838 VT1.1@22.871,52.838 ; R5.2@17.033,53.101 ccw(c17.67,53.738) 17.67,52.838 ; VT1.1@22.512,52.479 ccw(c21.645,51.611) 21.645,52.838 ccw(c21.645,54.064) VT1.1@22.512,53.197
NetL3_1: L3.1 U1.4 | length 16.2
  Top Layer w0.381: v2@7.884,53.838 ccw(c7.602,54.12) 8.001,54.12 ccw(c8.4,54.12) v2@8.118,53.838 ; v2(8.001,53.721) 8.001,54.949 v2(8.043,54.991) ; 8.001,54.491 cw(c8.543,54.491) U1.4@8.16,54.874 ; v2@8.001,54.686 cw(c8.348,54.686) U1.4@8.103,54.931
  Bottom Layer w0.381: v2@7.884,53.838 ccw(c7.602,54.12) 8.001,54.12 ccw(c8.4,54.12) v2@8.118,53.838 ; v2@7.884,62.24 cw(c7.602,61.958) 8.001,61.958 cw(c8.4,61.958) v2@8.118,62.24 ; v2@7.884,62.474 ccw(c7.602,62.756) 8.001,62.756 ccw(c8.4,62.756) v2@8.118,62.474 ; v2@7.884,63.764 cw(c7.602,63.482) 8.001,63.482 cw(c8.4,63.482) v2@8.118,63.764 ; v2(8.001,53.721) 8.001,54.949 v2(8.043,54.991) 8.001,55.033 v2(8.001,63.881) ; 8.001,54.491 cw(c8.543,54.491) v2@8.16,54.874 ; 8.001,55.491 ccw(c8.543,55.491) v2@8.16,55.108
  other v2: 8.001,62.357
NetR3_2: R3.2 U1.1 | length 4.4
  Top Layer w0.254: R3.2@5.245,58.801 U1.1@8.043,58.801 ; R3.2@5.546,58.608 cw(c6.012,58.142) 6.012,58.801 cw(c6.012,59.46) R3.2@5.546,58.994 ; 7.061,58.801 cw(c7.061,58.444) U1.1@7.313,58.696 ; 7.061,58.801 ccw(c7.061,59.158) U1.1@7.313,58.906
NetR4_2: R4.2 U1.3 | length 4
  Top Layer w0.508: R4.2@5.461,56.261 U1.3@8.043,56.261 ; R4.2@5.73,55.992 cw(c6.381,55.341) 6.381,56.261 cw(c6.381,57.181) R4.2@5.73,56.53
NetR5_1: R5.1 U1.6 | length 6.8
  Top Layer w0.508: U1.6@13.293,56.261 14.986,56.261 16.129,55.118 R5.1@16.764,55.118 ; 15.03,56.217 ccw(c16.764,57.952) R5.1@16.764,55.499 ; 15.897,55.35 ccw(c16.764,56.217) R5.1@16.764,54.991
NetR6_1: R6.1 U4.7 | length 37
  Top Layer w0.508: U4.7@48.853,72.517 v2(50.546,72.517)
  MidLayer1 w0.508: v2(50.546,72.517) 54.483,68.58 82.423,68.58 v2(83.693,69.85)
NetR6_2: R6.2 VT2.1 | length 9.8
  Top Layer w0.508: VT2.1@78.369,72.136 R6.2@83.693,72.136 ; VT2.1@79.782,71.573 cw(c81.141,70.214) 81.141,72.136 cw(c81.141,74.058) VT2.1@79.782,72.699 ; R6.2@83.424,71.867 ccw(c82.773,71.216) 82.773,72.136 ccw(c82.773,73.056) R6.2@83.424,72.405
NetR7_2: R7.2 U4.1 | length 4.6
  Top Layer w0.254: R7.2@40.551,74.168 42.545,74.168 42.926,73.787 U4.1@43.603,73.787 ; R7.2@40.852,73.975 cw(c41.318,73.509) 41.318,74.168 cw(c41.318,74.827) R7.2@40.852,74.361 ; 42.637,74.076 ccw(c42.978,74.418) U4.1@42.978,73.935
NetR8_2: R8.2 U4.2 | length 4.5
  Top Layer w0.254: R8.2@40.551,72.39 40.678,72.517 U4.2@43.603,72.517 ; R8.2@40.852,72.197 cw(c41.625,71.425) 41.625,72.517 ; U4.2@42.873,72.412 ccw(c42.621,72.16) 42.621,72.517 ccw(c42.621,72.874) U4.2@42.873,72.622